# Altium PCB PCB1.PcbDoc (part 1 of 2) (continued)
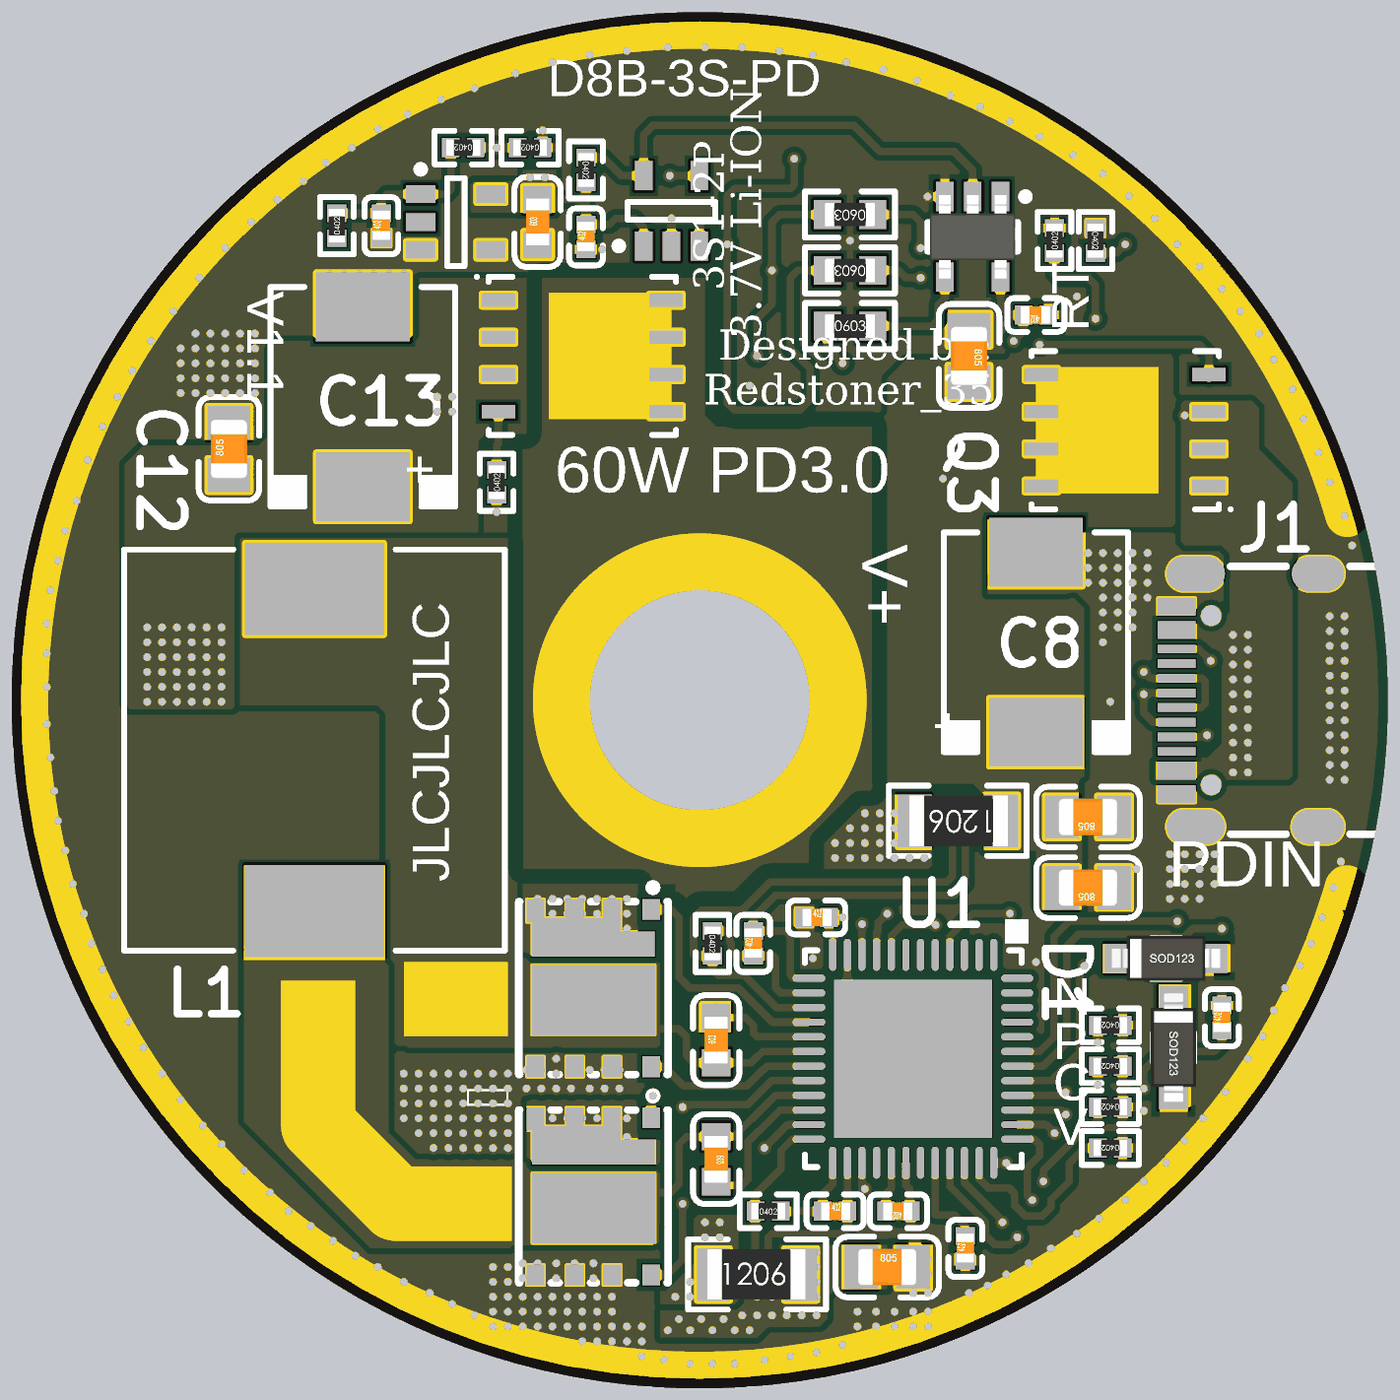
[diagram p6: 3D render of the assembled board from below, using the file's embedded part models]

## Layer stack, top to bottom
Top Solder: solder mask 0.0102, Solder Resist, Dk 3.5
Component Side: signal copper 0.0356
Dielectric 1: core 0.32, FR-4, Dk 4.8
Ground Plane: plane copper 0.036
Dielectric 3: prepreg 0.127, Dk 4.2
Power Plane: plane copper 0.036
Dielectric 4: core 0.254, Dk 4.2
Solder Side: signal copper 0.0356
Bottom Solder: solder mask 0.0102, Solder Resist, Dk 3.5

## Board outline
68.499,78.41 ccw(c91.999,78.41) 91.999,54.91 ccw(c91.999,78.41) 115.499,78.41 ccw(c91.999,78.41) 91.999,101.91 ccw(c91.999,78.41)

## Design rules (kind name [scope] priority, off if disabled: settings)
Clearance Clearance_1 [InNet('VBAT')] p1: gap=0.508
Clearance [All] p2: gap=0.191
HoleSize [All] p1: absolutevalues=TRUE maxlimit=8 minlimit=0.025 maxpercent=80.000 minpercent=20.000
PlaneClearance [All] p1: clearance=0.457
PlaneConnect [All] p1: planeconnectstyle=Direct reliefexpansion=0.508 reliefentries=4 reliefconductorwidth=0.254 reliefairgap=0.254
PolygonConnect PolygonConnect_1 [IsVia] p1: connectstyle=Direct reliefconductorwidth=0.254 reliefentries=4 polygonreliefangle="90 Angle" airgapwidth=0.254
PolygonConnect [All] p2: connectstyle=Direct reliefconductorwidth=0.305 reliefentries=4 polygonreliefangle="90 Angle" airgapwidth=0.254
RoomDefinition main [InComponentClass('main')] p1: confinementstyle=ConfineIn formatcopy=TRUE lockcomponents=FALSE outline 116.586,56.388 127,56.388 127,67.691 116.586,67.691
RoutingVias [All] p1: holewidth=0.711 width=1.27 viastyle="Through Hole" minholewidth=0.711 minwidth=1.27 maxholewidth=0.711 maxwidth=1.27
SolderMaskExpansion [All] p1: expansion=0.102
Width [All] p1: maxlimit=5.08 minlimit=0.203 preferedwidth=0.254
27 further rules are at their usual default settings.

## Components (designator, comment, footprint, x,y, rotation, side; value= is the part's Value field where it differs from the comment)
C1 "100nF (104) 10% 50V" 0603_C 91.44,66.802 r90 bottom
C2 "100nF (104) 10% 50V" 0603_C 91.44,62.738 r270 bottom
C3 "1.0uF (105) 10% 25V" 0402_C 87.376,60.96 r180 bottom
C4 "22uF (226) 20% 25V" 0805_C 85.598,59.055 r180 bottom
C5 "22uF (226) 20% 25V" 0805_C 78.74,72.009 r0 bottom
C6 "1.0uF (105) 10% 25V" 0402_C 90.17,70.104 r90 bottom
C7 "22uF (226) 20% 25V" 0805_C 78.74,74.422 r0 bottom
C8 "TCJU157M035" CAPMP7362X41N 80.518,80.391 r90 bottom
C9 "4.7uF (475) 20% 10V" 0402_C 85.217,60.96 r0 bottom
C10 "4.7uF (475) 20% 10V" 0402_C 82.931,59.69 r90 bottom
C11 "100nF (104) 10% 16V" 0402_C 88.011,70.993 r180 bottom
C12 "22uF (226) 20% 25V" 0805_C 108.077,86.995 r90 bottom
C13 "TCJU157M035" CAPMP7362X41N 103.505,88.773 r90 bottom
C14 "10uF (106) 10% 25V" 0805_C 82.804,90.17 r270 bottom
C15 "100nF (104) 10% 16V" 0402_C 74.168,67.566 r90 bottom
C16 "1.0uF (105) 10% 25V" 0402_C 102.87,94.615 r90 bottom
C17 "10uF (106) 10% 10V" 0603_C 97.536,94.742 r90 bottom
C18 "100nF (104) 10% 16V" 0402_C 95.885,94.234 r90 bottom
C19 "100nF (104) 10% 16V" 0402_C 80.518,91.567 r0 bottom
D1 "SMF30A CK" SOD-123 76.073,69.596 r180 bottom
D2 "SMF30A CK" SOD-123 75.819,66.548 r270 bottom
D3 "红灯 0603" 0603_LED_S1 89.535,95.885 r180 top
D4 "黄灯 0603" 0603_LED_S1 89.535,93.98 r180 top
D5 "绿灯 0603" 0603_LED_S1 89.535,92.075 r180 top
D6 "蓝灯 0603" 0603_LED_S1 89.535,88.265 r180 top
D7 "绿灯 0603" 0603_LED_S1 89.535,90.17 r180 top
J1 "TYPEC 16P" USB-C-SMD_KH-TYPE-C-16P 73.299,78.41 r90 bottom locked
L1 "IHLP5050FDER100M01" IHLP5050FDER***M01 105.156,76.708 r270 bottom
Q1 "RUH30J51M" PDFN-8_L5.8-W4.9_RU30J30M 95.631,61.468 r0 bottom
Q2 "RUH30J51M" PDFN-8_L5.8-W4.9_RU30J30M 95.631,68.58 r0 bottom
Q3 "HYG017N04LS1C2" SON/DFN5x6(MOS) 77.47,87.63 r0 bottom
Q4 "HYG210P06LQ1C2" SON/DFN5x6(MOS) 96.012,90.17 r180 bottom
R1 "0Ω (0R0) ±1%" 1206_R 90.043,58.801 r180 bottom
R2 "10Ω (10R0) ±1%" 0402_R 89.662,60.96 r180 bottom
R3 "0Ω (0R0) ±1%" 1206_R 83.185,74.295 r0 bottom
R4 "10Ω (10R0) ±1%" 0402_R 91.567,70.104 r270 bottom
R5 "9.1KΩ (9101) ±1%" 0402_R 77.978,67.31 r0 bottom
R6 "6.2KΩ (6201) ±1%" 0402_R 77.978,64.516 r0 bottom
R7 "16.2KΩ (1622) ±1%" 0402_R 77.978,65.913 r0 bottom
R8 "10KΩ (1002) ±1%" 0402_R 77.978,63.119 r0 bottom
R9 "1KΩ (1001) ±1%" 0402_R 98.933,85.852 r90 bottom
R10 "SDNT1005X153H3450HTF" 0402_R 78.486,94.107 r270 bottom
R11 "100Ω (1000) ±1%" 0603_R 86.868,93.091 r0 bottom
R12 "100Ω (1000) ±1%" 0603_R 86.868,94.996 r0 bottom
R13 "1KΩ (1001) ±1%" 0603_R 86.868,91.186 r180 bottom
R14 "1Ω (1R00) ±1%" 0402_R 104.394,94.615 r90 bottom
R15 "15KΩ (1502) ±1%" 0402_R 100.076,97.282 r0 bottom
R16 "560Ω (5600) ±1%" 0402_R 97.79,97.282 r0 bottom
R17 "47KΩ (4702) ±1%" 0402_R 95.885,96.52 r270 bottom
R18 "510KΩ (5103) ±1%" 0402_R 79.883,94.107 r90 bottom
U1 "IP2368" QFN50P700X700X100_HS-49M 84.709,66.167 r270 bottom locked
U2 "TPS7B6933DBVR" SOT95P245X110-5N 100.33,94.742 r180 bottom
U3 "MAX9062EUK+" SOT95P245X110-5N 92.964,95.123 r90 bottom
U4 "SN74LVC1G17DBVR" DBV0005A_N 82.677,94.234 r270 bottom

## Footprints (in the part's own frame and the unit in brackets; to place one, negate y for a bottom-side part, rotate by r counter-clockwise, add the part's x,y. Pads: shape width x height; smd on the part's side, far side on the other; paste and mask are expansions set on the pad)
0402_C [mm]
  rect 0.6x0.65 smd mask+0.051: 1(-0.425,0) 2(0.425,0)
  silkscreen extent -0.97,-0.58 0.97,0.58, body extent -0.48,-0.3 0.52,0.3, height 0.2
0402_R [mm]
  rect 0.6x0.65 smd mask+0.051: 1(-0.425,0) 2(0.425,0)
  silkscreen extent -0.97,-0.58 0.97,0.58, body extent -0.57,-0.27 0.58,0.28, height 0.41
0603_C [mm]
  rect 0.93x0.98 smd: 1(-0.77,0) 2(0.77,0)
  silkscreen extent -1.53,-0.79 1.54,0.79, body extent -0.8,-0.4 0.8,0.4, height 0.3
0603_LED_S1 [mm]
  rect 0.93x0.98 smd: A(0.77,0) K(-0.77,0)
  silkscreen extent -1.98,-0.79 1.54,0.79, body extent -0.8,-0.4 0.8,0.4, height 0.6
0603_R [mm]
  rect 0.93x0.98 smd: 1(-0.77,0) 2(0.77,0)
  silkscreen extent -1.53,-0.79 1.54,0.79, body extent -0.85,-0.4 0.85,0.4, height 0.56
0805_C [mm]
  rect 1.16x1.47 smd: 1(-0.89,0) 2(0.89,0)
  silkscreen extent -1.77,-1.04 1.77,1.04, body extent -1,-0.62 1,0.62, height 0.77
1206_R [mm]
  rect 1.13x1.8 smd: 1(-1.49,0) 2(1.49,0)
  silkscreen extent -2.36,-1.2 2.35,1.2, body extent -1.7,-0.86 1.65,0.87, height 0.85
CAPMP7362X41N [mm] "Molded Capacitor, 2-Leads, Body 7.30x6.20mm, IPC Medium Density"
  rect 2.35x3.2 smd: 1(-3.075,0) 2(3.075,0)
  silkscreen extent -3.75,-3.15 3.75,3.15, body extent -3.75,-3.15 3.75,3.15, height 4.1
DBV0005A_N [mm] "SOT23, 5-Leads, Body 3.05x1.75mm, Pitch 0.95mm, IPC Medium Density"
  rect 1x0.6 smd: 1(-1.375,0.95) 2(-1.375,0) 3(-1.375,-0.95) 4(1.375,-0.95) 5(1.375,0.95)
  silkscreen extent -1.5,-1.55 0.5,1.92, body extent -1.42,-1.46 1.42,1.46, height 1.08
IHLP5050FDER***M01 [mm] "Vishay IHLP Series inductor 5050Size code"
  rect 3.15x4.75 smd: 1(-5.5,0) 2(5.5,0)
  silkscreen extent -6.85,-6.5 6.85,6.5, body extent -6.85,-6.45 6.85,6.45, height 6.4
PDFN-8_L5.8-W4.9_RU30J30M [mm]
  rect 0.61x0.71 smd paste-100 mask+0.051: 1(-1.98,-2.685) 5(1.98,2.685) 6(0.632,2.685) 7(-0.638,2.685) 8(-1.98,2.685)
  rect 0.61x0.79 smd mask+0.05: 2(-0.635,-2.645)
  rect 0.61x0.79 smd paste-100 mask+0.051: 3(0.633,-2.645) 4(1.98,-2.645)
  rect 4.2x2.4 smd paste-100 mask+0.051: 9(-0.003,0.405)
  Component Side region: -2.1,-1.08 -2.1,-1.94 -0.94,-1.94 -0.94,-3.04 -0.33,-3.04 -0.33,-2.4 2.1,-2.4 2.1,-1.08
  silkscreen extent -2.55,-3.56 2.55,2.95, body extent -2.54,-2.92 2.54,2.92, height 1
QFN50P700X700X100_HS-49M [mm] "QFN, 48-Leads, Body 7.00x7.00mm, Pitch 0.50mm, Thermal Pad 5.40x5.40mm, IPC Low Density"
  oval 1.1x0.25 smd mask+0.02: 1(-3.55,2.75) 2(-3.55,2.25) 3(-3.55,1.75) 4(-3.55,1.25) 5(-3.55,0.75) 6(-3.55,0.25) 7(-3.55,-0.25) 8(-3.55,-0.75) 9(-3.55,-1.25) 10(-3.55,-1.75) 11(-3.55,-2.25) 12(-3.55,-2.75) 25(3.55,-2.75) 26(3.55,-2.25) 27(3.55,-1.75) 28(3.55,-1.25) 29(3.55,-0.75) 30(3.55,-0.25) 31(3.55,0.25) 32(3.55,0.75) 33(3.55,1.25) 34(3.55,1.75) 35(3.55,2.25) 36(3.55,2.75)
  oval 0.25x1.1 smd mask+0.02: 13(-2.75,-3.55) 14(-2.25,-3.55) 15(-1.75,-3.55) 16(-1.25,-3.55) 17(-0.75,-3.55) 18(-0.25,-3.55) 19(0.25,-3.55) 20(0.75,-3.55) 21(1.25,-3.55) 22(1.75,-3.55) 23(2.25,-3.55) 24(2.75,-3.55) 37(2.75,3.55) 38(2.25,3.55) 39(1.75,3.55) 40(1.25,3.55) 41(0.75,3.55) 42(0.25,3.55) 43(-0.25,3.55) 44(-0.75,3.55) 45(-1.25,3.55) 46(-1.75,3.55) 47(-2.25,3.55) 48(-2.75,3.55)
  rect 5.4x5.4 smd mask+0.02: 49(0,0)
  silkscreen extent -4.47,-3.7 3.7,3.7, body extent -3.55,-3.55 3.55,3.55, height 1
SOD-123 [mm]
  rect 1.25x1 smd: 1(1.475,0) 2(-1.475,0)
  silkscreen extent -0.5,-0.7 0.5,0.7, body extent -1.85,-0.77 1.85,0.78, height 1.35
SON/DFN5x6(MOS) [mm] "SON, 8-Leads, Body 5.00x6.00mm, Pitch 1.27mm, Thermal Pad 4.00x3.53mm, IPC Low Density"
  rect 1.15x0.45 smd: 1(-2.86,1.905) 2(-2.86,0.635) 3(-2.86,-0.635) 4(-2.86,-1.905) 5(2.86,-1.905) 6(2.86,-0.635) 7(2.86,0.635) 8(2.86,1.905)
  Component Side region: -1.143,2.159 3.048,2.159 3.048,-2.159 -1.143,-2.159
  silkscreen extent -3.65,-2.7 3.2,2.75, body extent -3.05,-2.55 3.05,2.55, height 1.05
SOT95P245X110-5N [mm] "SOT23, 5-Leads, Body 2.90x2.45mm, Pitch 0.95mm, IPC Medium Density"
  rect 1x0.6 smd: 1(-1.2,0.95) 2(-1.2,0) 3(-1.2,-0.95) 4(1.2,-0.95) 5(1.2,0.95)
  silkscreen extent -1.33,-1.5 0.3,1.92, body extent -0.7,-1.5 0.7,1.5, height 1.1
USB-C-SMD_KH-TYPE-C-16P [mm]
  rect 0.1x0.1 hole 0.7 mask+0.05: 0(-2.89,1.235) 0(2.89,1.235)
  oval 1.2x1.8 hole 0.7 slot 1.4 at 90 deg mask+0.051: 1(-4.32,-2.415) 1(4.32,-2.415)
  oval 1.2x2 hole 0.7 slot 1.7 at 90 deg mask+0.051: 1(-4.32,1.765) 1(4.32,1.765)
  rect 0.3x1.3 smd paste-100 mask+0.05: A1(-3.35,2.415) A4(-2.55,2.415) A5(-1.25,2.415) A6(-0.25,2.415) A7(0.25,2.415) A8(1.25,2.415) A9(2.55,2.415) A12(3.35,2.415) B1(3.05,2.415) B4(2.25,2.415) B5(1.75,2.415) B6(0.75,2.415) B7(-0.75,2.415) B8(-1.75,2.415) B9(-2.25,2.415) B12(-3.05,2.415)
  silkscreen extent -4.57,-5.08 4.57,0.57

## Part data
C1 C2: library part "0603 100nF (104) 10% 50V", "贴片电容"
C3 C6 C16: library part "0402 1.0uF (105) 10% 25V", "贴片电容"
C4 C5 C7 C12: library part "0805 22uF (226) 20% 25V", "贴片电容"
C8 C13: library part CAP2, "Capacitor"
C9 C10: library part "0402 4.7uF (475) 20% 10V", "贴片电容"
C11 C15 C18 C19: library part "0402 100nF (104) 10% 16V", "贴片电容"
C14: library part "0805 10uF (106) 10% 25V", "贴片电容"
C17: library part "0603 10uF (106) 10% 10V", "贴片电容"
D1 D2: library part "SOD-123 B5819W  SL", "TVS二极管"
D3: library part "0603 红灯", "发光二极管"
D4: library part "0603 黄灯", "发光二极管"
D5 D7: library part "0603 绿灯", "发光二极管"
D6: library part "0603 蓝灯", "发光二极管"
J1: library part KH-TYPEC-16P, "16Pin TypeC立贴座子"
L1: library part "Inductor Iron", "Vishay Inductor 10uH 16.4mR 15.5A"
Q1 Q2: library part RU30J30M, "Dual N MOSFET 30V/51A"
Q3: library part "SON/DFN5x6 MOS", "40V 1.7mΩ N Channel MOSFET"
Q4: library part "SON/DFN5x6 MOS", "P Channel MOSFET -60V -40A 25mΩ"
R1 R3: library part "1206 0Ω (0R0) 1%", "贴片电阻"
R2 R4: library part "0402 10Ω (10R0) 1%", "贴片电阻"
R5 R6: library part "0402 0Ω (0R0) 1%", "贴片电阻"
R7 R15: library part "0402 15KΩ (1502) 1%", "贴片电阻"
R8: library part "0402 10KΩ (1002) 1%", "贴片电阻"
R9: library part "0402 1KΩ (1001) 1%", "贴片电阻"
R10: library part "0402 10KΩ (1002) 1%", "贴片NTC热敏电阻"
R11 R12: library part "0603 100Ω (1000) 1%", "贴片电阻"
R13: library part "0603 1KΩ (1001) 1%", "贴片电阻"
R14: library part "0402 1Ω (1R00) 1%", "贴片电阻"
R16: library part "0402 510Ω (5100) 1%", "贴片电阻"
R17: library part "0402 47KΩ (4702) 1%", "贴片电阻"
R18: library part "0402 510KΩ (5103) 1%", "贴片电阻"
U1: "IP2368 2-5S 双向电池充放电管理，100W PD"
U2: "150mA 40V max input Ultra low Iq LDO,fixed 3.3V output"
U3: library part MAX9062, "tiny Comparator with 0.2V Ref OD Output"
U4: "Single Schmitt-Trigger Buffer, DBV0005A, LARGE T&R"

## Free pads (board coordinates)
  round 11.3 hole 7.5 mask+0.05: 1(91.999,78.41)

## Via types
v1: diameter 0.457, hole 0.254, Component Side to Solder Side, tented both sides, 662 vias

## Nets (pads, with @x,y where several pads share a name; then routed paths per layer and width w, separated by ;. In a path a pad name is that pad's centre, name@x,y a point inside that pad or via, vN(x,y) a via of type N, cw(c..) or ccw(c..) an arc to the next point about the centre after c; other vN are vias at no path point)
3V3: C17.2 C18.2 C19.2 R17.2 U2.5 U3.1 U4.5 | length 8.8
  Solder Side w0.254: v1(81.28,90.678) 80.943,91.015 C19.2@80.943,91.567 81.407,91.567 81.727,91.887 U4.5@81.727,92.859 ; U3.1@93.914,93.923 93.914,94.549 94.234,94.869 94.869,94.869 95.079,94.659 C18.2@95.885,94.659 95.885,95.512 ; R17.2@95.885,96.095 95.885,95.512 ; C17.2@97.536,95.512 95.885,95.512
  other v1: 97.282,96.266 97.79,96.266
5V: C9.2 U1.29 | length 1.7
  Solder Side w0.254: U1.29@85.459,62.617 85.459,61.734 85.642,61.551 C9.2@85.642,60.96
BATN: R5.2 U1.33 | length 15.7
  Component Side w0.254: v1(78.403,66.719) 77.851,66.167 76.708,66.167 76.2,65.659 76.2,64.058 79.717,60.541 80.048,60.541 80.518,60.071 v1(81.153,60.071)
  Solder Side w0.254: v1(78.403,66.719) R5.2@78.403,67.31 ; v1(81.153,60.071) 81.407,59.817 81.921,59.817 82.25,60.145 82.25,60.6 83.459,61.809 U1.33@83.459,62.617
BST1: C1.2 D1.2 U1.17 | length 3.1
  Solder Side w0.254: U1.17@88.259,66.917 90.031,66.917 90.17,67.056 90.17,67.31 90.432,67.572 90.932,67.572
  other v1: 91.44,67.945 76.073,69.215 76.581,69.215 76.073,69.723 76.581,69.723
BST2: C2.2 D2.2 U1.22 | length 4.5
  Solder Side w0.254: U1.22@88.259,64.417 89.253,64.417 89.992,63.678 90.02,63.678 90.348,63.35 90.348,62.052 90.559,61.841 90.932,61.841
  other v1: 91.44,61.968 75.565,67.183 76.073,67.183 75.565,67.691 76.073,67.691
CC1: J1.A5 U1.41 | length 17.3
  Component Side w0.254: v1(74.676,77.216) 75.869,77.216 76.619,76.466 76.619,75.733 76.543,75.656 76.543,71.208 78.409,69.342 v1(78.867,69.342)
  Solder Side w0.254: v1(74.676,77.216) 74.732,77.16 J1.A5@75.714,77.16 ; v1(78.867,69.342) 79.021,69.188 79.021,66.394 79.998,65.417 U1.41@81.159,65.417
CC2: J1.B5 U1.38 | length 24.5
  Component Side w0.254: v1(74.549,79.756) 74.93,80.137 77.597,80.137 78.867,78.867 78.867,72.39 81.28,69.977 81.28,65.268 79.883,63.871 v1(79.883,63.627)
  Solder Side w0.254: v1(74.549,79.756) 74.953,80.16 J1.B5@75.714,80.16 ; v1(79.883,63.627) 80.173,63.917 U1.38@81.159,63.917
COMP: R17.1 U3.5 U4.2 | length 16.5
  Solder Side w0.254: U4.2@82.677,95.609 82.677,96.52 83.312,97.155 85.852,97.155 86.741,98.044 93.599,98.044 93.914,97.729 U3.5@93.914,96.323 94.672,96.323 95.294,96.945 R17.1@95.885,96.945
DETECT: R15.1 R16.2 U3.4 | length 8.8
  Component Side w0.254: v1(93.021,96.323) 93.98,97.282 v1(98.933,97.282)
  Solder Side w0.254: U3.4@92.014,96.323 v1(93.021,96.323) ; R16.2@98.215,97.282 v1(98.933,97.282) R15.1@99.651,97.282
FCAP: R6.2 U1.34 | length 8.5
  Component Side w0.254: v1(80.264,61.976) 81.153,61.976 81.661,61.468 v1(81.661,60.579)
  Solder Side w0.254: R6.2@78.403,64.516 78.403,64.091 78.613,63.881 78.734,63.881 80.264,62.351 v1(80.264,61.976) ; v1(81.661,60.579) 81.661,60.64 82.959,61.938 U1.34@82.959,62.617
GND: C4.2 C5.1 C7.1 C8.2 C9.1 C10.1 C11.1 C12.2 C13.2 C14.1 C15.2 C16.1 C17.1 C18.1 C19.1 D1.1 D2.1 D6.K J1.1 J1.A1 J1.A12 J1.B1 J1.B12 Q1.5 Q1.6 Q1.7 Q2.5 Q2.6 Q2.7 R5.1 R6.1 R7.1 R8.1 R9.1 R10.1 R16.1 R18.2 U1.11 U1.30 U1.49 U2.3 U2.4 U3.2 U3.3 U4.3 | length 23.1
  Solder Side w0.254: R8.1@77.553,63.119 R6.1@77.553,64.516 R7.1@77.553,65.913 R5.1@77.553,67.31 ; C10.1@82.677,59.392 C4.2@84.373,59.392 ; U4.3@83.627,95.609 v1(84.223,95.609) ; C4.2@84.454,59.055 84.582,59.183 84.582,60.198 84.792,60.408 C9.1@84.792,60.96 84.836,61.004 84.836,61.722 84.959,61.845 U1.30@84.959,62.617 ; U1.49@86.959,68.417 U1.11@86.959,69.717 ; 88.138,69.85 88.138,70.231 88.436,70.529 C11.1@88.436,70.993 ; U3.3@92.014,93.923 92.014,94.681 92.202,94.869 v1(92.964,94.869) U3.2@92.964,93.923 ; v1(95.333,93.809) C18.1@95.885,93.809 ; R16.1@97.365,97.282 v1(97.365,97.873) ; v1(98.933,84.836) R9.1@98.933,85.427
  Solder Side w0.889: 72.644,69.596 D1.1@74.598,69.596 ; 73.709,65.073 D2.1@75.819,65.073 75.819,63.373
  other v1: 90.805,55.753 91.567,55.753 92.329,55.753 89.789,55.88 93.218,55.88 88.9,56.007 93.98,56.007 88.011,56.134 87.122,56.388 93.98,56.515 94.488,56.515 94.996,56.515 95.504,56.515 96.012,56.515 84.201,57.023 84.709,57.023 85.344,57.023 85.979,57.023 86.614,57.023 93.98,57.023 94.488,57.023 94.996,57.023 95.504,57.023 96.012,57.023 96.52,57.023 97.028,57.023 97.536,57.023 98.044,57.023 98.552,57.023 99.06,57.023 99.695,57.404 84.201,57.531 84.709,57.531 85.344,57.531 85.979,57.531 86.614,57.531 94.996,57.531 95.504,57.531 96.012,57.531 96.52,57.531 97.028,57.531 97.536,57.531 98.044,57.531 98.552,57.531 99.06,57.531 100.457,57.785 94.996,58.039 95.504,58.039 96.012,58.039 96.52,58.039 97.028,58.039 97.536,58.039 98.044,58.039 98.552,58.039 99.06,58.039 82.804,58.166 84.201,58.166 84.709,58.166 101.219,58.166 82.169,58.42 98.552,58.547 99.06,58.547 102.108,58.547 95.631,58.674 96.266,58.674 96.901,58.674 97.536,58.674 98.044,58.674 81.534,58.801 84.201,58.801 84.709,58.801 98.552,59.055 99.06,59.055 102.997,59.055 80.772,59.182 95.631,59.182 96.266,59.182 96.901,59.182 97.536,59.182 98.044,59.182 84.201,59.309 84.709,59.309 103.759,59.436 80.01,59.69 104.521,59.944 79.121,60.198 105.283,60.452 78.359,60.706 106.045,60.96 77.47,61.341 106.68,61.595 76.835,61.976 107.569,62.357 76.073,62.611 98.552,63.119 99.06,63.119 99.568,63.119 100.076,63.119 100.584,63.119 101.092,63.119 108.331,63.246 75.438,63.373 98.552,63.627 99.06,63.627 99.568,63.627 100.076,63.627 100.584,63.627 101.092,63.627 101.6,63.627 108.966,63.881 74.803,64.135 98.552,64.135 99.06,64.135 99.568,64.135 100.076,64.135 100.584,64.135 101.092,64.135 101.6,64.135 102.108,64.135 85.344,64.262 85.979,64.262 76.835,64.389 98.552,64.643 99.06,64.643 99.568,64.643 100.076,64.643 100.584,64.643 101.092,64.643 101.6,64.643 102.108,64.643 109.728,64.77 82.804,64.897 83.439,64.897 84.074,64.897 84.709,64.897 85.344,64.897 85.979,64.897 74.041,65.024 94.742,65.151 95.25,65.151 95.758,65.151 96.393,65.151 96.901,65.151 97.409,65.151 97.917,65.151 98.552,65.151 99.06,65.151 99.568,65.151 100.076,65.151 100.584,65.151 101.092,65.151 101.6,65.151 102.108,65.151 82.804,65.532 83.439,65.532 84.074,65.532 84.709,65.532 85.344,65.532 85.979,65.532 96.901,65.659 98.552,65.659 99.06,65.659 99.568,65.659 100.076,65.659 100.584,65.659 101.092,65.659 101.6,65.659 102.108,65.659 110.363,65.659 94.742,65.786 95.25,65.786 95.758,65.786 96.393,65.786 97.409,65.786 97.917,65.786 73.279,66.167 82.804,66.167 83.439,66.167 84.074,66.167 84.709,66.167 85.344,66.167 85.979,66.167 96.901,66.167 110.998,66.548 82.804,66.802 83.439,66.802 84.074,66.802 84.709,66.802 85.344,66.802 85.979,66.802 72.771,66.929 82.804,67.437 83.439,67.437 84.074,67.437 84.709,67.437 85.344,67.437 85.979,67.437 111.506,67.437 72.39,67.818 82.804,68.072 83.439,68.072 84.074,68.072 84.709,68.072 85.344,68.072 85.979,68.072 112.014,68.326 72.009,68.58 112.395,69.215 71.501,69.342 80.518,69.469 88.138,69.596 71.12,70.104 112.776,70.104 70.739,70.993 113.03,71.12 74.93,71.628 75.438,71.628 75.946,71.628 70.358,72.009 74.422,72.136 74.93,72.136 75.438,72.136 75.946,72.136 113.411,72.136 74.422,72.644 74.93,72.644 75.438,72.644 75.946,72.644 77.089,72.644 70.104,72.898 74.422,73.152 74.93,73.152 75.438,73.152 75.946,73.152 113.665,73.279 113.919,74.295 114.046,75.311 69.977,75.692 70.485,75.692 69.977,76.2 70.485,76.2 114.173,76.454 69.977,76.708 70.485,76.708 69.977,77.216 70.485,77.216 114.3,77.597 69.977,77.724 70.485,77.724 69.977,78.232 70.485,78.232 77.978,78.359 69.977,78.74 70.485,78.74 114.3,78.867 69.977,79.248 70.485,79.248 69.977,79.756 70.485,79.756 114.3,80.01 69.977,80.264 70.485,80.264 78.232,80.391 69.977,80.772 70.485,80.772 77.216,80.899 77.724,80.899 78.232,80.899 114.3,81.026 69.977,81.28 70.485,81.28 77.216,81.407 77.724,81.407 78.232,81.407 76.708,81.915 77.216,81.915 77.724,81.915 78.232,81.915 114.173,82.169 76.708,82.423 77.216,82.423 77.724,82.423 78.232,82.423 78.74,82.423 79.248,82.423 76.708,82.931 77.216,82.931 77.724,82.931 78.232,82.931 78.74,82.931 79.248,82.931 113.919,83.185 76.708,83.439 77.216,83.439 77.724,83.439 78.232,83.439 78.74,83.439 79.248,83.439 69.723,83.693 113.665,84.201 69.977,84.709 113.284,85.217 70.485,85.852 112.903,86.614 70.866,86.868 112.395,87.757 71.374,88.011 111.887,88.773 107.188,88.9 107.696,88.9 108.204,88.9 108.712,88.9 109.22,88.9 109.728,88.9 71.755,89.027 90.297,89.154 107.188,89.408 107.696,89.408 108.204,89.408 108.712,89.408 109.22,89.408 109.728,89.408 111.379,89.662 107.188,89.916 107.696,89.916 108.204,89.916 108.712,89.916 109.22,89.916 109.728,89.916 72.39,90.043 107.188,90.424 107.696,90.424 108.204,90.424 108.712,90.424 109.22,90.424 109.728,90.424 110.744,90.678 82.296,90.805 82.804,90.805 83.312,90.805 72.898,90.932 107.188,90.932 107.696,90.932 108.204,90.932 108.712,90.932 109.22,90.932 82.296,91.313 82.804,91.313 83.312,91.313 102.108,91.44 102.616,91.44 103.124,91.44 103.632,91.44 104.14,91.44 104.648,91.44 73.533,91.694 109.982,91.694 102.108,91.948 102.616,91.948 103.124,91.948 103.632,91.948 104.14,91.948 104.648,91.948 79.121,92.202 74.168,92.456 102.108,92.456 102.616,92.456 103.124,92.456 103.632,92.456 104.14,92.456 104.648,92.456 109.093,92.837 102.108,92.964 102.616,92.964 103.124,92.964 103.632,92.964 104.14,92.964 104.648,92.964 74.93,93.218 108.204,93.853 75.692,93.98 86.868,94.107 81.661,94.615 82.169,94.615 82.677,94.615 83.185,94.615 83.693,94.615 107.315,94.742 76.454,94.869 106.426,95.504 77.343,95.631 105.537,96.139 78.232,96.393 104.775,96.774 79.248,97.028 103.886,97.282 80.391,97.663 102.997,97.917 81.407,98.171 101.981,98.425 82.423,98.679 100.838,98.933 83.439,99.06 99.695,99.314 84.582,99.568 98.298,99.822 85.725,99.949 86.995,100.203 97.028,100.203 88.138,100.457 95.758,100.457 89.281,100.584 94.488,100.584 90.551,100.711 91.821,100.711 93.091,100.711
ISET: R7.2 U1.36 | length 5.9
  Component Side w0.254: v1(78.403,65.278) 78.403,64.335 80.127,62.611 v1(81.534,62.611)
  Solder Side w0.254: v1(78.403,65.278) R7.2@78.403,65.913 ; v1(81.534,62.611) 81.953,62.611 U1.36@81.959,62.617
LED1: R11.1 U1.43 | length 43.6
  Component Side w0.254: v1(75.692,70.866) 74.92,70.866 73.279,72.507 73.279,74.924 72.39,75.813 72.39,81.28 73.747,82.637 73.747,88.476 78.107,92.837 v1(84.455,92.837)
  Solder Side w0.254: v1(75.692,70.866) 79.375,70.866 79.91,70.331 79.91,66.902 80.395,66.417 U1.43@81.159,66.417 ; v1(84.455,92.837) 84.963,92.837 85.217,93.091 R11.1@86.098,93.091
LED2: R12.1 U1.42 | length 46.4
  Component Side w0.254: v1(74.168,70.612) 74.168,70.989 72.771,72.386 72.771,74.803 71.945,75.629 71.945,81.464 73.279,82.798 73.279,88.646 78.486,93.853 v1(84.455,93.853)
  Solder Side w0.254: v1(74.168,70.612) 75.174,70.612 75.466,70.32 75.918,70.32 76.02,70.421 79.057,70.421 79.465,70.014 79.465,66.718 80.266,65.917 U1.42@81.159,65.917 ; v1(84.455,93.853) 84.455,94.742 84.709,94.996 R12.1@86.098,94.996
LED3: D3.K D4.A D5.K D7.A R18.1 U1.4 | length 57.5
  Component Side w0.254: v1(78.486,91.44) 78.867,91.059 ; v1(81.407,71.126) 80.2,72.333 80.2,83.509 79.699,84.01 76.391,84.01 74.803,85.598 74.803,88.275 76.317,89.789 77.597,89.789 78.867,91.059 ; D7.A@88.765,90.17 88.765,91.186 ; D4.A@88.765,93.98 88.765,94.797 ; D5.K@90.305,92.075 90.305,91.321 90.17,91.186 86.487,91.186 85.725,91.948 ; D3.K@90.305,95.885 90.305,95.131 90.043,94.869 87.63,94.869 87.249,95.25 85.979,95.25 85.725,94.996 85.725,91.948 ; 78.867,91.059 79.756,91.948 85.725,91.948
  Solder Side w0.254: v1(78.486,91.44) 78.486,92.583 78.74,92.837 79.756,92.837 79.883,92.964 R18.1@79.883,93.682 ; v1(81.407,71.126) 82.683,71.126 83.459,70.351 U1.4@83.459,69.717
NetC3_1: C3.1 R2.2 U1.25 | length 3.2
  Solder Side w0.254: U1.25@87.459,62.617 87.459,61.893 87.801,61.551 C3.1@87.801,60.96 R2.2@89.237,60.96
NetC6_1: C6.1 R4.1 U1.14 | length 5.1
  Solder Side w0.254: U1.14@88.259,68.417 89.245,68.417 89.408,68.58 89.408,69.596 89.491,69.679 C6.1@90.17,69.679 90.761,69.679 90.924,69.842 90.924,70.111 90.976,70.162 90.976,70.529 R4.1@91.567,70.529
NetD3_A: D3.A D4.K R11.2 | length 21
  Component Side w0.254: D3.A@88.773,95.893 v1(88.773,96.901) ; D4.K@90.305,93.98 v1(91.059,93.98)
  Solder Side w0.254: R11.2@87.638,93.091 88.646,93.091 88.9,92.837 88.9,90.424 88.227,89.751 88.227,88.684 88.589,88.322 90.812,88.322 91.059,88.569 v1(91.059,93.98) 91.059,95.631 90.805,95.885 88.9,95.885 88.773,96.012 v1(88.773,96.901)
NetD5_A: D5.A D7.K R12.2 | length 8.7
  Component Side w0.254: D5.A@88.765,92.075 88.765,92.829 89.027,93.091 v1(89.535,93.091) ; v1(90.043,90.17) D7.K@90.305,90.17
  Solder Side w0.254: R12.2@87.638,94.996 89.281,94.996 89.535,94.742 v1(89.535,93.091) 89.535,91.948 90.043,91.44 v1(90.043,90.17)
NetD6_A: D6.A R13.1 | length 4.6
  Component Side w0.254: v1(87.122,89.916) 87.122,88.646 87.503,88.265 D6.A@88.765,88.265
  Solder Side w0.254: v1(87.122,89.916) 87.638,90.432 R13.1@87.638,91.186
NetQ1_1: Q1.1 U1.23 | length 7.9
  Component Side w0.254: v1(89.789,63.119) 89.789,64.897 90.17,65.278 93.218,65.278 v1(93.599,64.897)
  Solder Side w0.254: U1.23@88.807,63.917 88.991,63.917 v1(89.789,63.119) ; Q1.1@93.651,64.153 v1@93.651,64.845
NetQ1_8: Q1.8 U1.20 | length 11.2
  Component Side w0.254: v1(92.583,61.214) v1(92.583,64.516)
  Solder Side w0.254: U1.20@88.259,65.417 89.546,65.417 90.371,64.592 92.507,64.592 v1(92.583,64.516) ; v1(92.583,61.214) 92.583,59.309 93.109,58.783 Q1.8@93.651,58.783
NetQ2_1: Q2.1 U1.16 | length 8.2
  Solder Side w0.254: U1.16@88.259,67.417 89.515,67.417 90.678,68.58 92.329,68.58 92.71,68.961 92.71,70.993 92.982,71.265 Q2.1@93.651,71.265
NetQ2_8: Q2.8 U1.19 | length 5.9
  Solder Side w0.254: U1.19@88.259,65.917 89.693,65.917 89.821,65.789 89.849,65.789 90.401,65.237 92.542,65.237 93.2,65.895 Q2.8@93.651,65.895
NetQ4_4: Q4.4 R9.2 | length 2
  Solder Side w0.254: Q4.4@98.872,88.265 98.872,87.183 98.933,87.122 R9.2@98.933,86.277
NetR13_2: R13.2 U4.4 | length 3.9
  Solder Side w0.254: U4.4@83.627,92.859 83.627,92.141 83.856,91.912 83.856,91.542 83.858,91.541 83.858,91.402 84.074,91.186 R13.2@86.098,91.186
NTC: C15.1 R10.2 U1.37 | length 44.6
  Component Side w0.254: v1(74.168,67.139) 74.168,68.58 72.263,70.485 72.263,74.549 71.501,75.311 71.501,81.648 72.771,82.918 72.771,88.773 77.47,93.472 v1(77.47,93.98) ; v1(76.835,65.151) 77.216,65.151 77.534,64.834 77.534,63.934 80.127,61.341 v1(80.645,61.341)
  Solder Side w0.254: v1(74.168,67.139) 74.168,66.675 74.422,66.421 76.2,66.421 76.835,65.786 v1(76.835,65.151) ; v1(77.47,93.98) 77.768,93.682 R10.2@78.486,93.682 ; v1(80.645,61.341) 80.81,61.506 80.81,62.446 80.391,62.865 80.391,63.246 80.562,63.417 U1.37@81.159,63.417
SW1: C1.1 L1.1 Q2.9 U1.18 | length 8.8
  Solder Side w0.254: U1.18@88.259,66.417 89.839,66.417 90.011,66.246 90.039,66.246 90.253,66.032 92.194,66.032 92.456,66.294 92.456,66.929 92.71,67.183 94.636,67.183 Q2.9@95.628,68.175
SW2: C2.1 L1.2 Q1.9 U1.21 | length 7.4
  Solder Side w0.254: U1.21@88.259,64.917 89.4,64.917 90.182,64.135 90.21,64.135 90.805,63.54 90.805,63.512 90.809,63.508 C2.1@91.44,63.508 92.448,63.508 92.71,63.246 92.71,61.877 92.992,61.595 93.472,61.595
USBDN: J1.A7 J1.B7 U1.40 | length 19.6
  Component Side w0.254: v1(76.835,78.613) 76.835,78.137 78.08,76.892 78.08,71.53 79.858,69.752 79.858,65.38 v1(79.502,65.024)
  Solder Side w0.254: J1.B7@75.714,77.66 76.517,77.66 76.835,77.978 76.835,78.486 76.661,78.66 J1.A7@75.714,78.66 ; v1(79.502,65.024) 79.609,64.917 U1.40@81.159,64.917
USBDP: J1.A6 J1.B6 U1.39 | length 23
  Component Side w0.254: v1@76.845,79.375 v1(76.835,79.375) 76.619,79.159 76.609,79.159 76.289,78.839 76.289,78.387 76.391,78.285 76.391,77.953 77.635,76.708 77.635,71.346 79.413,69.568 79.413,65.707 78.956,65.25 78.956,64.798 79.121,64.633 79.121,64.262 v1(79.502,64.262)
  Solder Side w0.254: J1.A6@75.714,78.16 74.875,78.16 74.747,78.288 74.747,79.065 74.842,79.16 J1.B6@75.714,79.16 76.62,79.16 v1(76.835,79.375) ; v1(79.502,64.262) 79.657,64.417 U1.39@81.159,64.417
VBAT: pad.1 Q4.5 Q4.6 Q4.7 Q4.8
VBATTI: C3.2 C4.1 C12.1 C13.1 Q4.1 Q4.2 Q4.3 R1.2 U1.26 U1.27 | length 8.6
  Solder Side w0.254: v1(86.36,61.722) 86.459,61.821 U1.27@86.459,62.617 ; U1.26@86.959,62.617 86.959,60.968 C3.2@86.951,60.96 86.951,60.369 87.122,60.198 89.535,60.198 89.662,60.071 89.662,58.928 89.535,58.801 R1.2@88.299,58.801
  other v1: 90.297,56.896 90.805,56.896 91.567,56.896 92.329,56.896 93.091,56.896 91.186,57.277 91.948,57.277 92.71,57.277 88.011,57.404 88.519,57.404 89.027,57.404 89.535,57.404 90.043,57.404 90.551,57.404 88.011,58.039 88.519,58.039 89.027,58.039 89.535,58.039 90.043,58.039 88.011,58.547 88.519,58.547 89.027,58.547 88.011,59.055 88.519,59.055 89.027,59.055 88.011,59.563 88.519,59.563 89.027,59.563 108.331,78.359 108.839,78.359 109.347,78.359 109.855,78.359 110.363,78.359 110.871,78.359 108.331,78.867 108.839,78.867 109.347,78.867 109.855,78.867 110.363,78.867 110.871,78.867 108.331,79.375 108.839,79.375 109.347,79.375 109.855,79.375 110.363,79.375 110.871,79.375 108.331,79.883 108.839,79.883 109.347,79.883 109.855,79.883 110.363,79.883 110.871,79.883 108.331,80.391 108.839,80.391 109.347,80.391 109.855,80.391 110.363,80.391 110.871,80.391 108.331,80.899 108.839,80.899 109.347,80.899 109.855,80.899 110.363,80.899 110.871,80.899 100.457,88.265 100.965,88.265 100.457,88.773 100.965,88.773
VBUSG: Q3.4 U1.9 | length 31.2
  Component Side w0.254: v1(80.391,90.551) 80.353,90.513 80.353,87.541 82.677,85.217 82.677,71.882 83.185,71.374 84.201,71.374 84.455,71.12 v1(85.598,71.12)
  Solder Side w0.254: Q3.4@74.61,89.408 74.61,90.231 74.93,90.551 v1(80.391,90.551) ; v1(85.598,71.12) 85.913,70.805 85.913,70.541 85.959,70.495 U1.9@85.959,69.717
VBUSI: C5.2 C6.2 C7.2 C8.1 C11.2 C14.2 Q3.5 Q3.6 Q3.7 Q3.8 R3.1 U1.10 U1.12 U1.13 | length 35.9
  Component Side w0.254: v1(83.693,85.979) 83.121,85.407 83.121,72.066 83.369,71.819 84.385,71.819 84.538,71.666 85.824,71.666 86.144,71.346 86.144,70.894 86.271,70.767 v1(86.459,70.767)
  Solder Side w0.254: R3.1@81.695,74.295 82.677,74.295 82.931,74.041 82.931,72.136 83.312,71.755 89.408,71.755 90.17,70.993 C6.2@90.17,70.529 89.071,70.529 88.9,70.358 88.9,69.025 88.792,68.917 U1.13@88.259,68.917 ; U1.10@86.459,69.717 v1(86.459,70.767) ; U1.12@87.459,69.717 87.459,70.402 87.586,70.529 C11.2@87.586,70.993
  Solder Side w0.457: v1(87.122,70.993) C11.2@87.586,70.993
  other v1: 81.661,73.914
VCCIO: C10.2 U1.32 | length 3.3
  Solder Side w0.254: C10.2@82.931,60.115 82.931,60.458 83.306,60.833 83.947,60.833 83.959,60.845 U1.32@83.959,62.617
VDCT: C16.2 R14.2 R15.2 U2.1 | length 5.9
  Solder Side w0.254: R15.2@100.501,97.282 100.501,95.841 100.65,95.692 U2.1@101.53,95.692 102.682,95.692 102.87,95.504 C16.2@102.87,95.04 R14.2@104.394,95.04